# KiCad board SparkFun_GNSS_HAT+_panelized.kicad_pcb
title: SparkFun Product (Qwiic); rev: v10; company: SparkFun; note: Designed by: You
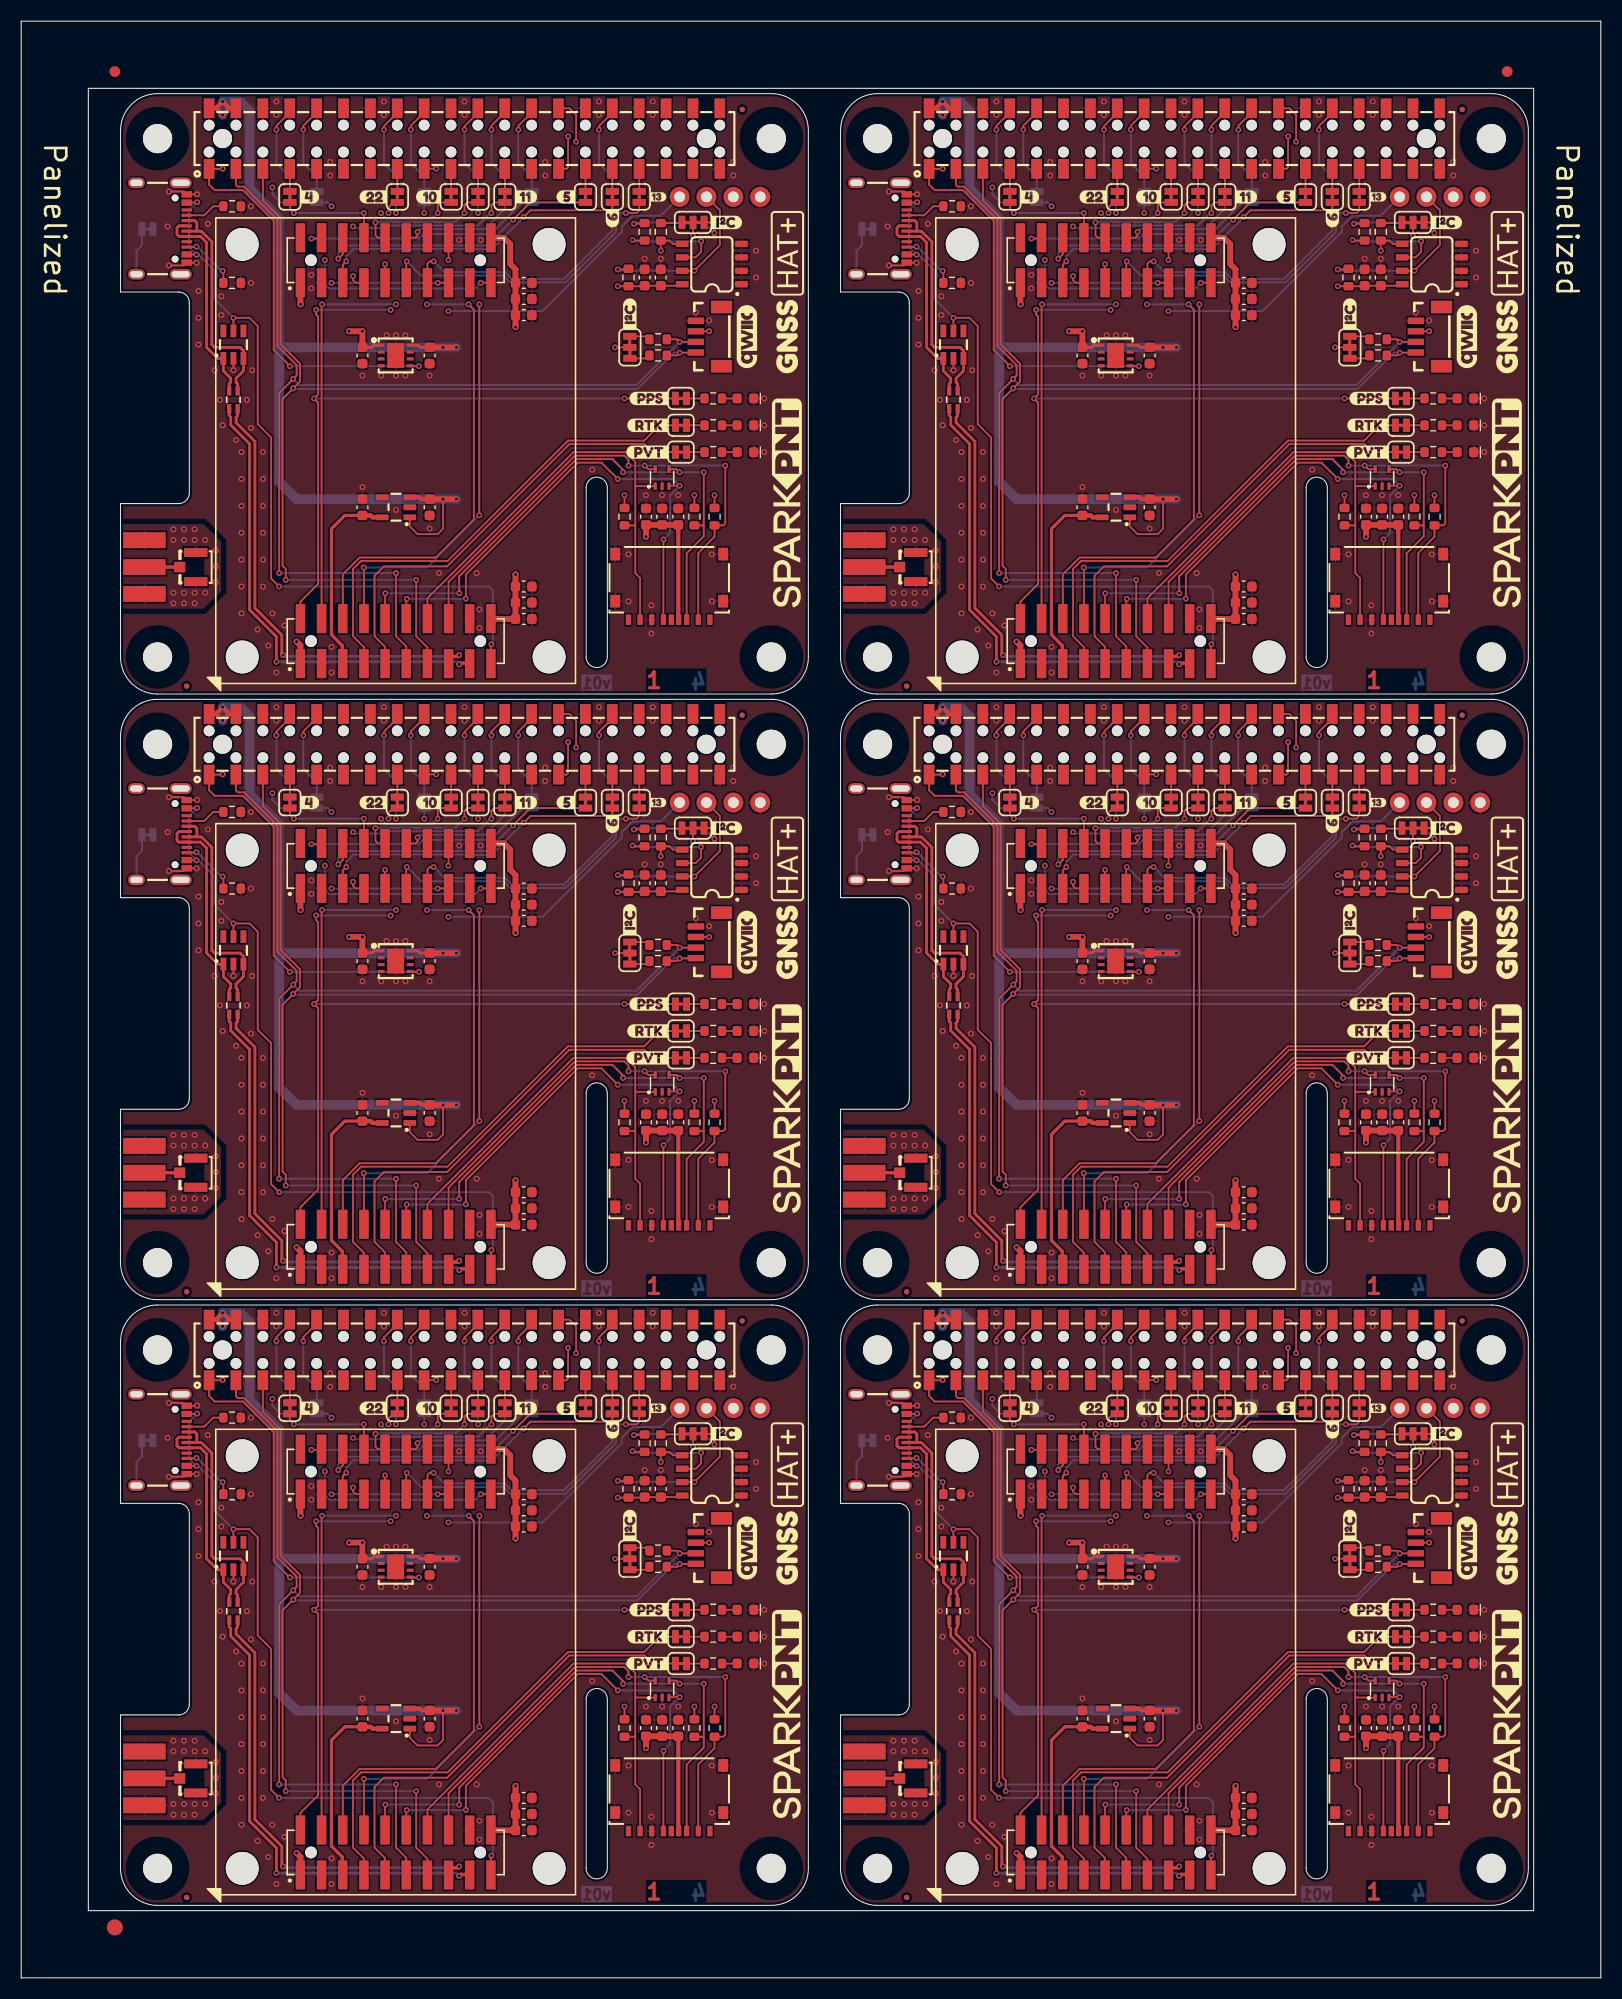
[diagram p0: board, top side]
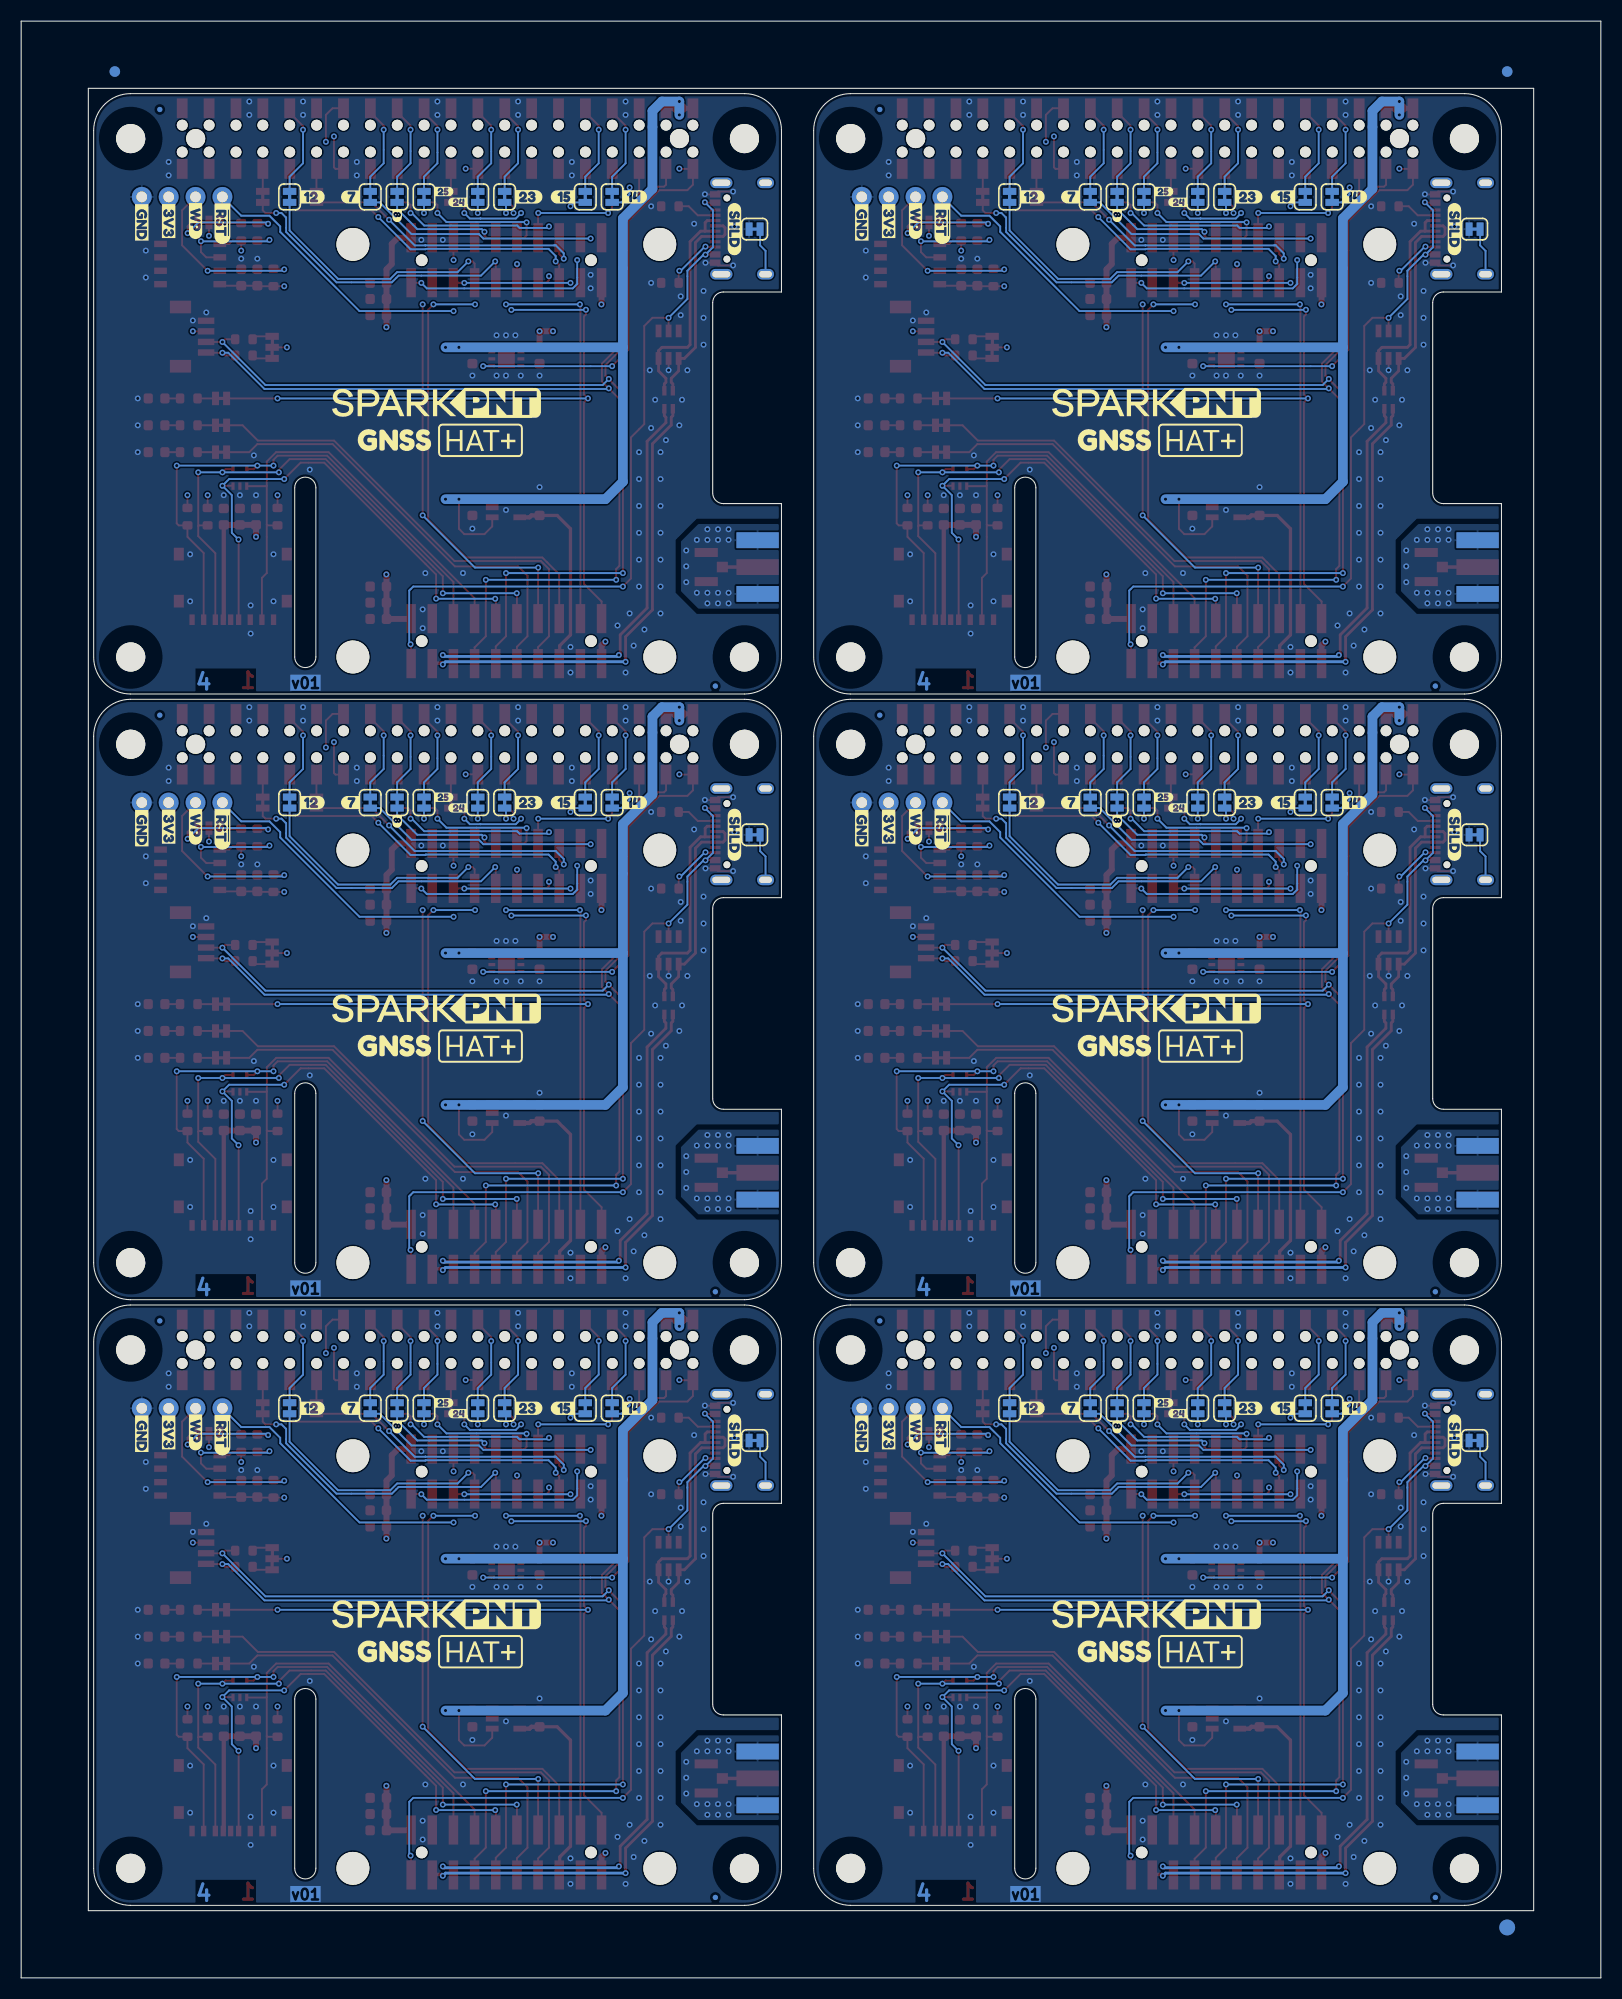
[diagram p1: board, bottom side, seen from below]

Outline 149.28 x 184.95 mm; copper layers: Top, In1.Cu, In2.Cu, Bottom. Coordinates in mm from the lower left corner of the outline.
Outline path: 0,184.95 149.28,184.95 149.28,0 0,0 0,184.95 ; 6.35,178.6 142.93,178.6 142.93,6.35 6.35,6.35 6.35,178.6 ; 9.39,174.6 9.39,159.35 14.89,159.35 arc(15.6,159.06) 15.89,158.35 15.89,140.35 arc(15.6,139.64) 14.89,139.35 9.39,139.35 9.39,124.85 arc(10.42,122.38) 12.89,121.35 70.89,121.35 arc(73.36,122.38) 74.39,124.85 74.39,174.6 arc(73.36,177.07) 70.89,178.1 12.89,178.1 arc(10.42,177.07) 9.39,174.6 ; 9.39,117.35 9.39,102.1 14.89,102.1 arc(15.6,101.81) 15.89,101.1 15.89,83.1 arc(15.6,82.39) 14.89,82.1 9.39,82.1 9.39,67.6 arc(10.42,65.13) 12.89,64.1 70.89,64.1 arc(73.36,65.13) 74.39,67.6 74.39,117.35 arc(73.36,119.82) 70.89,120.85 12.89,120.85 arc(10.42,119.82) 9.39,117.35 ; 9.39,60.1 9.39,44.85 14.89,44.85 arc(15.6,44.56) 15.89,43.85 15.89,25.85 arc(15.6,25.14) 14.89,24.85 9.39,24.85 9.39,10.35 arc(10.42,7.88) 12.89,6.85 70.89,6.85 arc(73.36,7.88) 74.39,10.35 74.39,60.1 arc(73.36,62.57) 70.89,63.6 12.89,63.6 arc(10.42,62.57) 9.39,60.1 ; 53.39,140.85 arc(54.39,141.85) 55.39,140.85 55.39,124.85 arc(54.39,123.85) 53.39,124.85 53.39,140.85 ; 53.39,83.6 arc(54.39,84.6) 55.39,83.6 55.39,67.6 arc(54.39,66.6) 53.39,67.6 53.39,83.6 ; 53.39,26.35 arc(54.39,27.35) 55.39,26.35 55.39,10.35 arc(54.39,9.35) 53.39,10.35 53.39,26.35 ; 77.43,174.6 77.43,159.35 82.93,159.35 arc(83.64,159.06) 83.93,158.35 83.93,140.35 arc(83.64,139.64) 82.93,139.35 77.43,139.35 77.43,124.85 arc(78.46,122.38) 80.93,121.35 138.93,121.35 arc(141.4,122.38) 142.43,124.85 142.43,174.6 arc(141.4,177.07) 138.93,178.1 80.93,178.1 arc(78.46,177.07) 77.43,174.6 ; 77.43,117.35 77.43,102.1 82.93,102.1 arc(83.64,101.81) 83.93,101.1 83.93,83.1 arc(83.64,82.39) 82.93,82.1 77.43,82.1 77.43,67.6 arc(78.46,65.13) 80.93,64.1 138.93,64.1 arc(141.4,65.13) 142.43,67.6 142.43,117.35 arc(141.4,119.82) 138.93,120.85 80.93,120.85 arc(78.46,119.82) 77.43,117.35 ; 77.43,60.1 77.43,44.85 82.93,44.85 arc(83.64,44.56) 83.93,43.85 83.93,25.85 arc(83.64,25.14) 82.93,24.85 77.43,24.85 77.43,10.35 arc(78.46,7.88) 80.93,6.85 138.93,6.85 arc(141.4,7.88) 142.43,10.35 142.43,60.1 arc(141.4,62.57) 138.93,63.6 80.93,63.6 arc(78.46,62.57) 77.43,60.1 ; 121.43,140.85 arc(122.43,141.85) 123.43,140.85 123.43,124.85 arc(122.43,123.85) 121.43,124.85 121.43,140.85 ; 121.43,83.6 arc(122.43,84.6) 123.43,83.6 123.43,67.6 arc(122.43,66.6) 121.43,67.6 121.43,83.6 ; 121.43,26.35 arc(122.43,27.35) 123.43,26.35 123.43,10.35 arc(122.43,9.35) 121.43,10.35 121.43,26.35
Stack: Top 0.035mm / dielectric 0.1mm FR4 er 4.5 / In1.Cu 0.035mm / dielectric 1.24mm FR4 er 4.5 / In2.Cu 0.035mm / dielectric 0.1mm FR4 er 4.5 / Bottom 0.035mm

## Placement (name value [footprint] x y rotation side)
3V3.1  PTH  [1x01]  67.3 53.84 0 top
3V3.1#2  PTH  [1x01]  135.34 53.84 0 top
3V3.1#3  PTH  [1x01]  67.3 111.09 0 top
3V3.1#4  PTH  [1x01]  135.34 111.09 0 top
3V3.1#5  PTH  [1x01]  135.34 168.34 0 top
3V3.1#6  PTH  [1x01]  67.3 168.34 0 top
C1  1.0uF  [C_0603_1608Metric]  126.96 103.47 90 top
C1#2  1.0uF  [C_0603_1608Metric]  126.96 46.22 90 top
C1#3  1.0uF  [C_0603_1608Metric]  58.92 103.47 90 top
C1#4  1.0uF  [C_0603_1608Metric]  126.96 160.72 90 top
C1#5  1.0uF  [C_0603_1608Metric]  58.92 160.72 90 top
C1#6  1.0uF  [C_0603_1608Metric]  58.92 46.22 90 top
C2  1.0uF  [C_0603_1608Metric]  38.6 153.35 90 top
C2#2  1.0uF  [C_0603_1608Metric]  106.64 96.1 90 top
C2#3  1.0uF  [C_0603_1608Metric]  106.64 153.35 90 top
C2#4  1.0uF  [C_0603_1608Metric]  38.6 96.1 90 top
C2#5  1.0uF  [C_0603_1608Metric]  38.6 38.85 90 top
C2#6  1.0uF  [C_0603_1608Metric]  106.64 38.85 90 top
C3  1.0uF  [C_0603_1608Metric]  100.29 38.85 90 top
C3#2  1.0uF  [C_0603_1608Metric]  32.25 96.1 90 top
C3#3  1.0uF  [C_0603_1608Metric]  32.25 153.35 90 top
C3#4  1.0uF  [C_0603_1608Metric]  32.25 38.85 90 top
C3#5  1.0uF  [C_0603_1608Metric]  100.29 153.35 90 top
C3#6  1.0uF  [C_0603_1608Metric]  100.29 96.1 90 top
C4  1.0uF  [C_0603_1608Metric]  106.64 139 90 top
C4#2  1.0uF  [C_0603_1608Metric]  38.6 24.5 90 top
C4#3  1.0uF  [C_0603_1608Metric]  106.64 81.75 90 top
C4#4  1.0uF  [C_0603_1608Metric]  38.6 139 90 top
C4#5  1.0uF  [C_0603_1608Metric]  106.64 24.5 90 top
C4#6  1.0uF  [C_0603_1608Metric]  38.6 81.75 90 top
C5  1.0uF  [C_0603_1608Metric]  100.29 139 270 top
C5#2  1.0uF  [C_0603_1608Metric]  100.29 24.5 270 top
C5#3  1.0uF  [C_0603_1608Metric]  100.29 81.75 270 top
C5#4  1.0uF  [C_0603_1608Metric]  32.25 24.5 270 top
C5#5  1.0uF  [C_0603_1608Metric]  32.25 81.75 270 top
C5#6  1.0uF  [C_0603_1608Metric]  32.25 139 270 top
C6  0.1uF  [C_0603_1608Metric]  60.44 46.22 90 top
C6#2  0.1uF  [C_0603_1608Metric]  128.48 46.22 90 top
C6#3  0.1uF  [C_0603_1608Metric]  128.48 160.72 90 top
C6#4  0.1uF  [C_0603_1608Metric]  60.44 103.47 90 top
C6#5  0.1uF  [C_0603_1608Metric]  60.44 160.72 90 top
C6#6  0.1uF  [C_0603_1608Metric]  128.48 103.47 90 top
C7  0.1uF  [C_0603_1608Metric]  62.09 80.86 90 top
C7#2  0.1uF  [C_0603_1608Metric]  130.13 138.11 90 top
C7#3  0.1uF  [C_0603_1608Metric]  62.09 23.61 90 top
C7#4  0.1uF  [C_0603_1608Metric]  130.13 23.61 90 top
C7#5  0.1uF  [C_0603_1608Metric]  62.09 138.11 90 top
C7#6  0.1uF  [C_0603_1608Metric]  130.13 80.86 90 top
C8  10uF  [C_0603_1608Metric]  127.09 80.86 90 top
C8#2  10uF  [C_0603_1608Metric]  59.05 80.86 90 top
C8#3  10uF  [C_0603_1608Metric]  59.05 138.11 90 top
C8#4  10uF  [C_0603_1608Metric]  127.09 23.61 90 top
C8#5  10uF  [C_0603_1608Metric]  59.05 23.61 90 top
C8#6  10uF  [C_0603_1608Metric]  127.09 138.11 90 top
C9  1.0uF  [C_0603_1608Metric]  60.57 80.86 270 top
C9#2  1.0uF  [C_0603_1608Metric]  128.61 23.61 270 top
C9#3  1.0uF  [C_0603_1608Metric]  128.61 138.11 270 top
C9#4  1.0uF  [C_0603_1608Metric]  60.57 23.61 270 top
C9#5  1.0uF  [C_0603_1608Metric]  128.61 80.86 270 top
C9#6  1.0uF  [C_0603_1608Metric]  60.57 138.11 270 top
C10  0.1uF  [C_0603_1608Metric]  115.53 71.19 0 top
C10#2  0.1uF  [C_0603_1608Metric]  47.49 128.44 0 top
C10#3  0.1uF  [C_0603_1608Metric]  47.49 13.94 0 top
C10#4  0.1uF  [C_0603_1608Metric]  115.53 128.44 0 top
C10#5  0.1uF  [C_0603_1608Metric]  115.53 13.94 0 top
C10#6  0.1uF  [C_0603_1608Metric]  47.49 71.19 0 top
C11  1.0uF  [C_0603_1608Metric]  115.53 129.99 180 top
C11#2  1.0uF  [C_0603_1608Metric]  115.53 72.74 180 top
C11#3  1.0uF  [C_0603_1608Metric]  47.49 72.74 180 top
C11#4  1.0uF  [C_0603_1608Metric]  47.49 15.49 180 top
C11#5  1.0uF  [C_0603_1608Metric]  115.53 15.49 180 top
C11#6  1.0uF  [C_0603_1608Metric]  47.49 129.99 180 top
C12  10uF  [C_0603_1608Metric]  115.53 131.51 0 top
C12#2  10uF  [C_0603_1608Metric]  47.49 17.01 0 top
C12#3  10uF  [C_0603_1608Metric]  47.49 131.51 0 top
C12#4  10uF  [C_0603_1608Metric]  47.49 74.26 0 top
C12#5  10uF  [C_0603_1608Metric]  115.53 17.01 0 top
C12#6  10uF  [C_0603_1608Metric]  115.53 74.26 0 top
C13  0.1uF  [C_0603_1608Metric]  115.53 102.96 0 top
C13#2  0.1uF  [C_0603_1608Metric]  47.49 102.96 0 top
C13#3  0.1uF  [C_0603_1608Metric]  47.49 160.21 0 top
C13#4  0.1uF  [C_0603_1608Metric]  115.53 160.21 0 top
C13#5  0.1uF  [C_0603_1608Metric]  115.53 45.71 0 top
C13#6  0.1uF  [C_0603_1608Metric]  47.49 45.71 0 top
C14  1.0uF  [C_0603_1608Metric]  115.53 158.69 180 top
C14#2  1.0uF  [C_0603_1608Metric]  47.49 158.69 180 top
C14#3  1.0uF  [C_0603_1608Metric]  115.53 101.44 180 top
C14#4  1.0uF  [C_0603_1608Metric]  115.53 44.19 180 top
C14#5  1.0uF  [C_0603_1608Metric]  47.49 44.19 180 top
C14#6  1.0uF  [C_0603_1608Metric]  47.49 101.44 180 top
C15  10uF  [C_0603_1608Metric]  47.49 157.16 0 top
C15#2  10uF  [C_0603_1608Metric]  115.53 99.91 0 top
C15#3  10uF  [C_0603_1608Metric]  47.49 42.66 0 top
C15#4  10uF  [C_0603_1608Metric]  115.53 42.66 0 top
C15#5  10uF  [C_0603_1608Metric]  47.49 99.91 0 top
C15#6  10uF  [C_0603_1608Metric]  115.53 157.16 0 top
D1  DT1042-04SO  [SOT23-6]  20.06 39.87 90 top
D1#2  DT1042-04SO  [SOT23-6]  20.06 154.37 90 top
D1#3  DT1042-04SO  [SOT23-6]  20.06 97.12 90 top
D1#4  DT1042-04SO  [SOT23-6]  88.1 154.37 90 top
D1#5  DT1042-04SO  [SOT23-6]  88.1 39.87 90 top
D1#6  DT1042-04SO  [SOT23-6]  88.1 97.12 90 top
D2  DF5A5.6LFU  [SOT-353]  60.57 84.55 90 top
D2#2  DF5A5.6LFU  [SOT-353]  60.57 27.3 90 top
D2#3  DF5A5.6LFU  [SOT-353]  128.61 27.3 90 top
D2#4  DF5A5.6LFU  [SOT-353]  128.61 84.55 90 top
D2#5  DF5A5.6LFU  [SOT-353]  128.61 141.8 90 top
D2#6  DF5A5.6LFU  [SOT-353]  60.57 141.8 90 top
D3  Blue  [LED_0603_1608Metric_Blue]  68.44 32.25 180 top
D3#2  Blue  [LED_0603_1608Metric_Blue]  136.48 32.25 180 top
D3#3  Blue  [LED_0603_1608Metric_Blue]  136.48 89.5 180 top
D3#4  Blue  [LED_0603_1608Metric_Blue]  68.44 146.75 180 top
D3#5  Blue  [LED_0603_1608Metric_Blue]  68.44 89.5 180 top
D3#6  Blue  [LED_0603_1608Metric_Blue]  136.48 146.75 180 top
D4  Blue  [LED_0603_1608Metric_Blue]  136.48 144.21 180 top
D4#2  Blue  [LED_0603_1608Metric_Blue]  136.48 86.96 180 top
D4#3  Blue  [LED_0603_1608Metric_Blue]  136.48 29.71 180 top
D4#4  Blue  [LED_0603_1608Metric_Blue]  68.44 86.96 180 top
D4#5  Blue  [LED_0603_1608Metric_Blue]  68.44 29.71 180 top
D4#6  Blue  [LED_0603_1608Metric_Blue]  68.44 144.21 180 top
D5  Blue  [LED_0603_1608Metric_Blue]  136.48 149.29 180 top
D5#2  Blue  [LED_0603_1608Metric_Blue]  68.44 92.04 180 top
D5#3  Blue  [LED_0603_1608Metric_Blue]  136.48 92.04 180 top
D5#4  Blue  [LED_0603_1608Metric_Blue]  136.48 34.79 180 top
D5#5  Blue  [LED_0603_1608Metric_Blue]  68.44 149.29 180 top
D5#6  Blue  [LED_0603_1608Metric_Blue]  68.44 34.79 180 top
FID1  Fiducial_0.5mm  [Fiducial_0.5mm_Mask1mm]  68.14 119.35 0 top
FID1#2  Fiducial_0.5mm  [Fiducial_0.5mm_Mask1mm]  136.18 62.1 0 top
FID1#3  Fiducial_0.5mm  [Fiducial_0.5mm_Mask1mm]  68.14 62.1 0 top
FID1#4  Fiducial_0.5mm  [Fiducial_0.5mm_Mask1mm]  136.18 176.6 0 top
FID1#5  Fiducial_0.5mm  [Fiducial_0.5mm_Mask1mm]  68.14 176.6 0 top
FID1#6  Fiducial_0.5mm  [Fiducial_0.5mm_Mask1mm]  136.18 119.35 0 top
FID2  Fiducial_0.5mm  [Fiducial_0.5mm_Mask1mm]  15.64 64.85 180 bottom
FID2#2  Fiducial_0.5mm  [Fiducial_0.5mm_Mask1mm]  15.64 122.1 180 bottom
FID2#3  Fiducial_0.5mm  [Fiducial_0.5mm_Mask1mm]  15.64 7.6 180 bottom
FID2#4  Fiducial_0.5mm  [Fiducial_0.5mm_Mask1mm]  83.68 122.1 180 bottom
FID2#5  Fiducial_0.5mm  [Fiducial_0.5mm_Mask1mm]  83.68 7.6 180 bottom
FID2#6  Fiducial_0.5mm  [Fiducial_0.5mm_Mask1mm]  83.68 64.85 180 bottom
FID3  Fiducial_0.5mm  [Fiducial_0.5mm_Mask1mm]  68.14 119.35 180 bottom
FID3#2  Fiducial_0.5mm  [Fiducial_0.5mm_Mask1mm]  136.18 119.35 180 bottom
FID3#3  Fiducial_0.5mm  [Fiducial_0.5mm_Mask1mm]  68.14 176.6 180 bottom
FID3#4  Fiducial_0.5mm  [Fiducial_0.5mm_Mask1mm]  136.18 62.1 180 bottom
FID3#5  Fiducial_0.5mm  [Fiducial_0.5mm_Mask1mm]  68.14 62.1 180 bottom
FID3#6  Fiducial_0.5mm  [Fiducial_0.5mm_Mask1mm]  136.18 176.6 180 bottom
FID4  Fiducial_0.5mm  [Fiducial_0.5mm_Mask1mm]  15.64 64.85 0 top
FID4#2  Fiducial_0.5mm  [Fiducial_0.5mm_Mask1mm]  83.68 7.6 0 top
FID4#3  Fiducial_0.5mm  [Fiducial_0.5mm_Mask1mm]  83.68 122.1 0 top
FID4#4  Fiducial_0.5mm  [Fiducial_0.5mm_Mask1mm]  15.64 7.6 0 top
FID4#5  Fiducial_0.5mm  [Fiducial_0.5mm_Mask1mm]  83.68 64.85 0 top
FID4#6  Fiducial_0.5mm  [Fiducial_0.5mm_Mask1mm]  15.64 122.1 0 top
G3  OSHW_Logo  [Creative_Commons_License]  109.08 -37.6 0 top
G***  LOGO  [qwiic_6mm]  68.57 155.13 90 top
G***#2  LOGO  [qwiic_6mm]  136.61 97.88 90 top
G***#3  LOGO  [qwiic_6mm]  68.57 97.88 90 top
G***#4  LOGO  [SparkPNT_Logo_20mm]  72.38 82.26 90 top
G***#5  LOGO  [SparkPNT_Logo_20mm]  140.42 139.51 90 top
G***#6  LOGO  [SparkPNT_Logo_20mm]  140.42 25.01 90 top
G***#7  LOGO  [SparkPNT_Logo_20mm]  72.38 139.51 90 top
G***#8  LOGO  [qwiic_6mm]  136.61 40.63 90 top
G***#9  LOGO  [SparkPNT_Logo_20mm]  72.38 25.01 90 top
G***#10  LOGO  [SparkPNT_Logo_20mm]  140.42 82.26 90 top
G***#11  LOGO  [qwiic_6mm]  68.57 40.63 90 top
G***#12  LOGO  [qwiic_6mm]  136.61 155.13 90 top
G***#13  LOGO  [SparkPNT_Logo_20mm]  41.89 148.85 180 bottom
G***#14  LOGO  [SparkPNT_Logo_20mm]  109.93 91.6 180 bottom
G***#15  LOGO  [SparkPNT_Logo_20mm]  41.89 34.35 180 bottom
G***#16  LOGO  [SparkPNT_Logo_20mm]  109.93 148.85 180 bottom
G***#17  LOGO  [SparkPNT_Logo_20mm]  41.89 91.6 180 bottom
G***#18  LOGO  [SparkPNT_Logo_20mm]  109.93 34.35 180 bottom
GND.1  PTH  [1x01]  69.84 111.09 0 top
GND.1#2  PTH  [1x01]  137.88 111.09 0 top
GND.1#3  PTH  [1x01]  69.84 168.34 0 top
GND.1#4  PTH  [1x01]  69.84 53.84 0 top
GND.1#5  PTH  [1x01]  137.88 53.84 0 top
GND.1#6  PTH  [1x01]  137.88 168.34 0 top
J1  Raspberry_Pi_2x20_SMD_Passthrough  [Raspberry_Pi_Shield_Top_Entry_No_Mounting_Holes]  41.89 116.6 90 top
J1#2  Raspberry_Pi_2x20_SMD_Passthrough  [Raspberry_Pi_Shield_Top_Entry_No_Mounting_Holes]  41.89 173.85 90 top
J1#3  Raspberry_Pi_2x20_SMD_Passthrough  [Raspberry_Pi_Shield_Top_Entry_No_Mounting_Holes]  109.93 59.35 90 top
J1#4  Raspberry_Pi_2x20_SMD_Passthrough  [Raspberry_Pi_Shield_Top_Entry_No_Mounting_Holes]  41.89 59.35 90 top
J1#5  Raspberry_Pi_2x20_SMD_Passthrough  [Raspberry_Pi_Shield_Top_Entry_No_Mounting_Holes]  109.93 173.85 90 top
J1#6  Raspberry_Pi_2x20_SMD_Passthrough  [Raspberry_Pi_Shield_Top_Entry_No_Mounting_Holes]  109.93 116.6 90 top
J2  Conn_02x10  [2x10_2.0mm_Male_Pins_Vertical_SMD]  103.43 126.35 90 top
J2#2  Conn_02x10  [2x10_2.0mm_Male_Pins_Vertical_SMD]  35.39 69.1 90 top
J2#3  Conn_02x10  [2x10_2.0mm_Male_Pins_Vertical_SMD]  35.39 11.85 90 top
J2#4  Conn_02x10  [2x10_2.0mm_Male_Pins_Vertical_SMD]  35.39 126.35 90 top
J2#5  Conn_02x10  [2x10_2.0mm_Male_Pins_Vertical_SMD]  103.43 69.1 90 top
J2#6  Conn_02x10  [2x10_2.0mm_Male_Pins_Vertical_SMD]  103.43 11.85 90 top
J3  -  [U.FL]  16.5 76.1 180 top
J3#2  -  [U.FL]  84.54 18.85 180 top
J3#3  -  [U.FL]  16.5 133.35 180 top
J3#4  -  [U.FL]  84.54 76.1 180 top
J3#5  -  [U.FL]  84.54 133.35 180 top
J3#6  -  [U.FL]  16.5 18.85 180 top
J4  Conn_02x10  [2x10_2.0mm_Male_Pins_Vertical_SMD]  35.39 105.1 90 top
J4#2  Conn_02x10  [2x10_2.0mm_Male_Pins_Vertical_SMD]  35.39 47.85 90 top
J4#3  Conn_02x10  [2x10_2.0mm_Male_Pins_Vertical_SMD]  35.39 162.35 90 top
J4#4  Conn_02x10  [2x10_2.0mm_Male_Pins_Vertical_SMD]  103.43 162.35 90 top
J4#5  Conn_02x10  [2x10_2.0mm_Male_Pins_Vertical_SMD]  103.43 47.85 90 top
J4#6  Conn_02x10  [2x10_2.0mm_Male_Pins_Vertical_SMD]  103.43 105.1 90 top
J5  microSD_Friction  [microSD_Friction_Fit_Common]  129.28 17.85 0 top
J5#2  microSD_Friction  [microSD_Friction_Fit_Common]  61.24 75.1 0 top
J5#3  microSD_Friction  [microSD_Friction_Fit_Common]  129.28 75.1 0 top
J5#4  microSD_Friction  [microSD_Friction_Fit_Common]  129.28 132.35 0 top
J5#5  microSD_Friction  [microSD_Friction_Fit_Common]  61.24 17.85 0 top
J5#6  microSD_Friction  [microSD_Friction_Fit_Common]  61.24 132.35 0 top
J6  USB_C_Receptacle  [USB-C_16]  15.99 165.35 270 top
J6#2  USB_C_Receptacle  [USB-C_16]  84.03 165.35 270 top
J6#3  USB_C_Receptacle  [USB-C_16]  84.03 50.85 270 top
J6#4  USB_C_Receptacle  [USB-C_16]  84.03 108.1 270 top
J6#5  USB_C_Receptacle  [USB-C_16]  15.99 50.85 270 top
J6#6  USB_C_Receptacle  [USB-C_16]  15.99 108.1 270 top
J7  -  [SMA_Edge]  79.68 18.85 90 top
J7#2  -  [SMA_Edge]  79.68 133.35 90 top
J7#3  -  [SMA_Edge]  79.68 76.1 90 top
J7#4  -  [SMA_Edge]  11.64 133.35 90 top
J7#5  -  [SMA_Edge]  11.64 76.1 90 top
J7#6  -  [SMA_Edge]  11.64 18.85 90 top
J8  Qwiic_Vertical  [JST_SMD_1.0mm-4_Vertical]  65.27 155.13 270 top
J8#2  Qwiic_Vertical  [JST_SMD_1.0mm-4_Vertical]  133.31 155.13 270 top
J8#3  Qwiic_Vertical  [JST_SMD_1.0mm-4_Vertical]  133.31 97.88 270 top
J8#4  Qwiic_Vertical  [JST_SMD_1.0mm-4_Vertical]  65.27 97.88 270 top
J8#5  Qwiic_Vertical  [JST_SMD_1.0mm-4_Vertical]  65.27 40.63 270 top
J8#6  Qwiic_Vertical  [JST_SMD_1.0mm-4_Vertical]  133.31 40.63 270 top
JP1  ~  [Jumper_3_NC-2_Trace]  57.52 39.62 90 top
JP1#2  ~  [Jumper_3_NC-2_Trace]  57.52 154.12 90 top
JP1#3  ~  [Jumper_3_NC-2_Trace]  57.52 96.87 90 top
JP1#4  ~  [Jumper_3_NC-2_Trace]  125.56 154.12 90 top
JP1#5  ~  [Jumper_3_NC-2_Trace]  125.56 39.62 90 top
JP1#6  ~  [Jumper_3_NC-2_Trace]  125.56 96.87 90 top
JP2  ~  [Jumper_3_NC-2_Trace]  131.53 51.43 180 top
JP2#2  ~  [Jumper_3_NC-2_Trace]  131.53 165.93 180 top
JP2#3  ~  [Jumper_3_NC-2_Trace]  63.49 165.93 180 top
JP2#4  ~  [Jumper_3_NC-2_Trace]  63.49 51.43 180 top
JP2#5  ~  [Jumper_3_NC-2_Trace]  131.53 108.68 180 top
JP2#6  ~  [Jumper_3_NC-2_Trace]  63.49 108.68 180 top
JP3  ~  [Jumper_2_NC_Trace]  79.97 108.04 180 bottom
JP3#2  ~  [Jumper_2_NC_Trace]  79.97 165.29 180 bottom
JP3#3  ~  [Jumper_2_NC_Trace]  11.93 50.79 180 bottom
JP3#4  ~  [Jumper_2_NC_Trace]  11.93 108.04 180 bottom
JP3#5  ~  [Jumper_2_NC_Trace]  79.97 50.79 180 bottom
JP3#6  ~  [Jumper_2_NC_Trace]  11.93 165.29 180 bottom
JP4  ~  [Jumper_2_NC_Trace]  93.43 53.84 90 bottom
JP4#2  ~  [Jumper_2_NC_Trace]  93.43 111.09 90 bottom
JP4#3  ~  [Jumper_2_NC_Trace]  93.43 168.34 90 bottom
JP4#4  ~  [Jumper_2_NC_Trace]  25.39 168.34 90 bottom
JP4#5  ~  [Jumper_2_NC_Trace]  25.39 53.84 90 bottom
JP4#6  ~  [Jumper_2_NC_Trace]  25.39 111.09 90 bottom
JP5  ~  [Jumper_2_NC_Trace]  27.93 111.09 90 bottom
JP5#2  ~  [Jumper_2_NC_Trace]  27.93 168.34 90 bottom
JP5#3  ~  [Jumper_2_NC_Trace]  95.97 168.34 90 bottom
JP5#4  ~  [Jumper_2_NC_Trace]  95.97 53.84 90 bottom
JP5#5  ~  [Jumper_2_NC_Trace]  95.97 111.09 90 bottom
JP5#6  ~  [Jumper_2_NC_Trace]  27.93 53.84 90 bottom
JP6  ~  [Jumper_2_NC_Trace]  103.59 111.09 90 top
JP6#2  ~  [Jumper_2_NC_Trace]  103.59 168.34 90 top
JP6#3  ~  [Jumper_2_NC_Trace]  35.55 168.34 90 top
JP6#4  ~  [Jumper_2_NC_Trace]  103.59 53.84 90 top
JP6#5  ~  [Jumper_2_NC_Trace]  35.55 111.09 90 top
JP6#6  ~  [Jumper_2_NC_Trace]  35.55 53.84 90 top
JP7  ~  [Jumper_2_NC_Trace]  35.55 111.09 90 bottom
JP7#2  ~  [Jumper_2_NC_Trace]  103.59 53.84 90 bottom
JP7#3  ~  [Jumper_2_NC_Trace]  35.55 168.34 90 bottom
JP7#4  ~  [Jumper_2_NC_Trace]  103.59 168.34 90 bottom
JP7#5  ~  [Jumper_2_NC_Trace]  103.59 111.09 90 bottom
JP7#6  ~  [Jumper_2_NC_Trace]  35.55 53.84 90 bottom
JP8  ~  [Jumper_2_NC_Trace]  38.09 168.34 90 bottom
JP8#2  ~  [Jumper_2_NC_Trace]  38.09 111.09 90 bottom
JP8#3  ~  [Jumper_2_NC_Trace]  106.13 111.09 90 bottom
JP8#4  ~  [Jumper_2_NC_Trace]  106.13 168.34 90 bottom
JP8#5  ~  [Jumper_2_NC_Trace]  106.13 53.84 90 bottom
JP8#6  ~  [Jumper_2_NC_Trace]  38.09 53.84 90 bottom
JP9  ~  [Jumper_2_NC_Trace]  111.21 111.09 90 bottom
JP9#2  ~  [Jumper_2_NC_Trace]  43.17 168.34 90 bottom
JP9#3  ~  [Jumper_2_NC_Trace]  111.21 53.84 90 bottom
JP9#4  ~  [Jumper_2_NC_Trace]  43.17 111.09 90 bottom